# Altium PCB fastcar.PcbDoc (part 5 of 6) (continued)
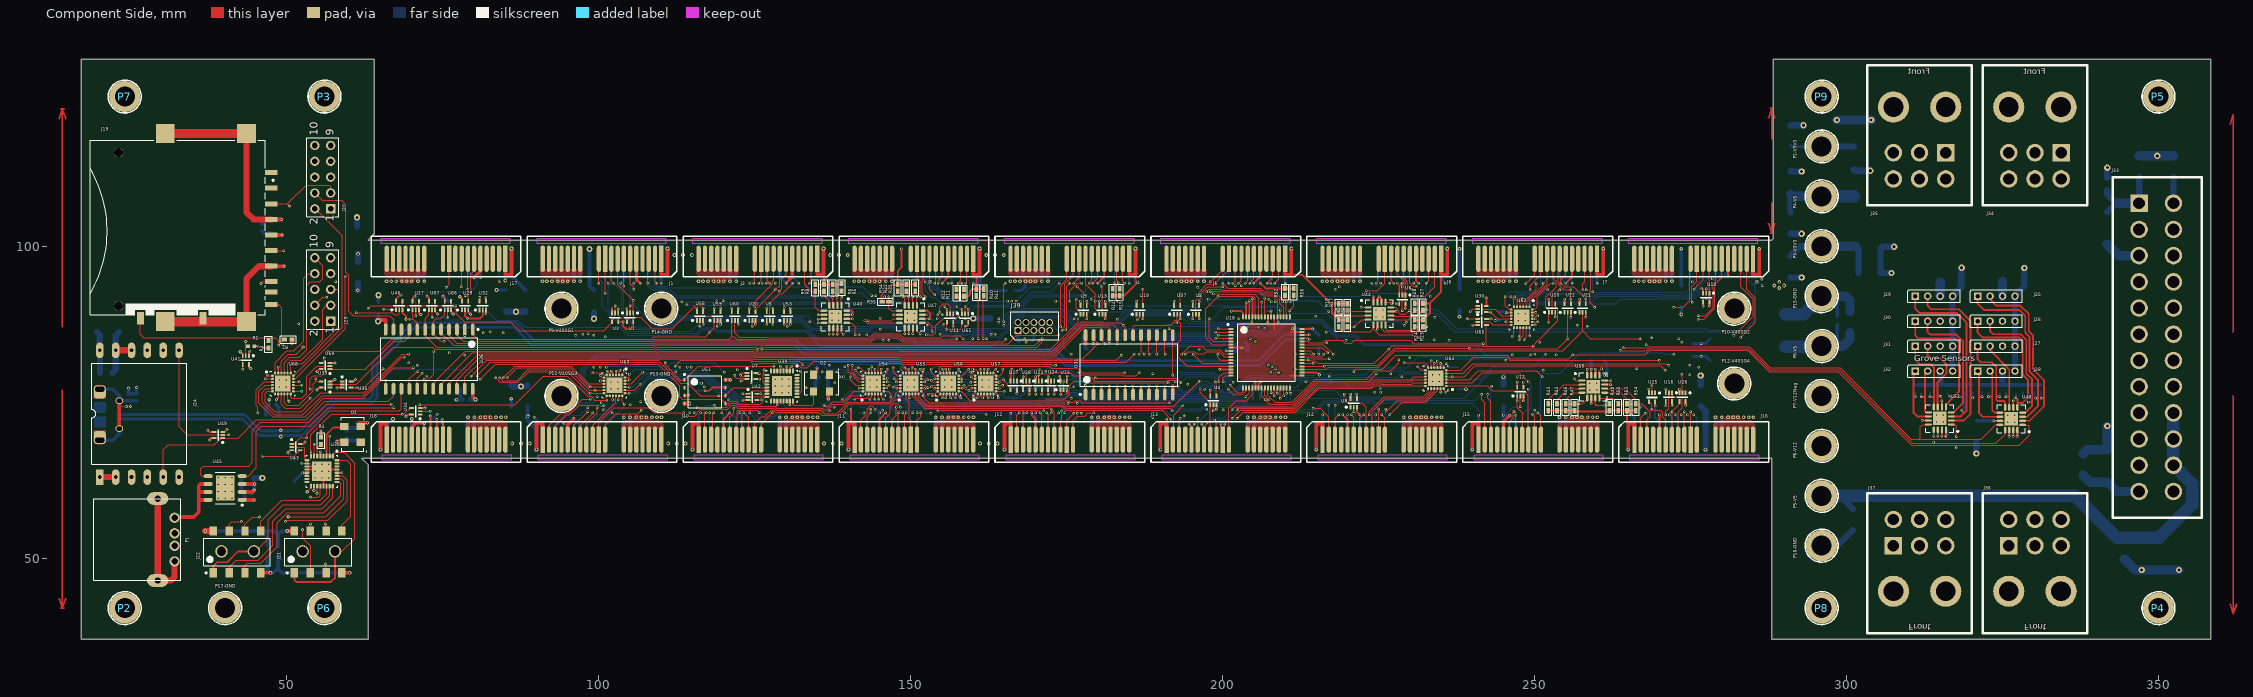
[diagram p0: Component Side view]
## Nets (pads, with @x,y where several pads share a name; then routed paths per layer and width w, separated by ;. In a path a pad name is that pad's centre, name@x,y a point inside that pad or via, vN(x,y) a via of type N, cw(c..) or ccw(c..) an arc to the next point about the centre after c; other vN are vias at no path point) (continued)
  Solder Side w1: C13.1@22.05,79.7 22.54,80.19 J24.11@22.54,83.32 22.54,85.711 C52.2@23.029,86.2 ; C56.2@291,98.429 292.571,100 P3-V3V3.1@296,100 ; P2-V3V3.1@296,116 C40.1@301.2,116 ; C50.1@301.5,99.9 301.9,99.5 C45.2@301.9,95.7 ; C39.2@341.8,105.5 343.2,106.9 341.8,108.3 C35.1@341.8,108.968 ; J33.1@346.9,106.9 C37.1@346.9,111.071 ; J33.13@352.4,106.9 C44.2@352.4,111.071
  Solder Side w1.5: P3-V3V3.1@296,100 301.4,100 C50.1@301.5,99.9 ; C47.1@337.9,63.271 338.971,62.2 C49.2@341.8,62.2 343.3,60.7 J33.12@346.9,60.7 ; 343.2,106.9 J33.1@346.9,106.9
  other v1: 198,76.9
  other v3: 77.7,91.9
V5: C24.1 C26.1 C57.1 C58.1 C59.2 C60.1 C61.1 C62.2 C63.2 C64.2 C65.2 C66.2 C67.1 C68.1 C69.2 C70.1 C71.1 C72.2 C73.2 C74.2 C75.2 C76.2 J1.A1 J2.A1 J3.A1 J4.A1 J5.A1 J6.A1 J7.A1 J8.A1 J9.A1 J10.A1 J11.A1 J12.A1 J13.A1 J14.A1 J15.A1 J16.A1 J17.A1 J18.A1 J20.10 J25.3 J26.3 J27.3 J28.3 J29.3 J30.3 J31.3 J32.3 J33.21 J33.22 J33.23 P4-V5.1 P5-V5.1 P8-V5.1 R5.1 R6.1 R7.1 R8.1 R9.1 R10.1 R11.1 R12.1 R13.1 R14.1 R15.1 R16.1 R17.1 R18.1 R19.1 R20.1 R21.1 R22.1 R23.1 R24.1 R25.1 R27.1 R28.1 R29.1 R31.1 R32.1 R33.1 R34.1 R35.1 R36.1 R37.1 R38.1 R39.1 R40.1 R41.1 R42.1 R43.1 R44.1 R45.1 R46.1 R47.1 R48.1 R49.1 R50.1 R51.1 R53.1 R54.1 R55.1 U45.2 U45.3 | length 650.7
  Component Side w0.3: R9.1@134.7,93.9 R8.1@136.1,93.9 ; 136,95.43 136.1,95.33 R8.1@136.1,93.9 ; R5.1@138.9,94 138.8,93.9 R6.1@137.5,93.9 R8.1@136.1,93.9 ; v1(140.4,73.88) 140.4,71.7 140.5,71.6 ; R35.1@145.4,91.1 145.3,91.2 145.3,92.15 146.95,93.8 147.8,93.8 R34.1@147.9,93.9 ; v1(148.5,99.6) 148.5,96.6 147.9,96 R34.1@147.9,93.9 ; R31.1@150.7,93.9 R32.1@149.3,93.9 R34.1@147.9,93.9 ; R12.1@157.33,91.96 R11.1@158.55,91.96 ; R11.1@158.53,91.99 159.19,91.99 159.5,92.3 159.5,92.8 159.83,93.13 R40.1@160.5,93.13 ; 160.51,95.24 160.5,95.23 R40.1@160.5,93.13 ; R41.1@161.7,93.15 160.52,93.15 R40.1@160.5,93.13 ; R15.1@183.48,92.08 184.17,92.08 184.42,92.33 184.42,92.34 186.02,93.94 186.02,95.24 ; 211,95.43 212.77,95.43 217.4,90.8 ; R20.1@220,88.2 R21.1@218.6,88.2 218.592,88.2 217.5,89.293 217.5,90.7 217.4,90.8 ; R17.1@220,90.8 R18.1@218.6,90.8 217.4,90.8 ; R24.1@230.8,88.2 R23.1@232.1,88.2 233.2,89.3 233.2,90.8 233.15,90.85 ; R28.1@230.8,90.85 R27.1@232.1,90.85 233.15,90.85 ; 235,95.24 235,92.7 233.15,90.85 ; R43.1@252.2,73.65 R44.1@253.6,73.65 R46.1@255,73.65 R47.1@256.4,73.65 256.55,73.5 262.05,73.5 R49.1@262.2,73.65 ; R49.1@262,73.65 R49.1@262.2,73.65 ; R53.1@264.8,73.65 264.8,71.8 265,71.6 ; R54.1@266.2,73.65 R49.1@262.2,73.65
  Component Side w0.6: U45.2@42.825,60.615 44.515,60.615 44.515,60.665 v3(44.75,60.9) ; U45.3@42.825,61.885 44.765,61.885 v3(44.8,61.85) ; v2(65,67.4) 65,71.6 66,71.6 J18.A1@66,69.03 ; J17.A1@85,98 85,95.43 86,95.43 v2(86,99.63) ; v2(90,67.4) 90,71.6 91,71.6 J9.A1@91,69.03 ; J1.A1@110,98 110,95.43 111,95.43 v2(111,99.63) ; v2(115,67.4) 115,71.6 116,71.6 J10.A1@116,69.03 ; J2.A1@135,98 135,95.43 136,95.43 v2(136,99.63) ; v2(140,67.4) 140,71.6 140.5,71.6 141,71.6 J11.A1@141,69.03 ; J3.A1@160,98 160,95.43 161,95.43 v2(161,99.63) ; v2(165,67.4) 165,71.6 166,71.6 J12.A1@166,69.03 ; R14.1@182.38,92.08 R15.1@183.48,92.08 ; J4.A1@185,98 185,95.43 186,95.43 v2(186,99.63) ; v2(190,67.4) 190,71.6 191,71.6 J13.A1@191,69.03 ; J5.A1@210,98 210,95.43 211,95.43 v2(211,99.63) ; v2(215,67.4) 215,71.6 216,71.6 J14.A1@216,69.03 ; J6.A1@235,98 235,95.43 236,95.43 v2(236,99.63) ; v2(240,67.4) 240,71.6 241,71.6 J15.A1@241,69.03 ; J7.A1@260,98 260,95.43 261,95.43 v2(261,99.63) ; v2(265,67.4) 265,71.6 266,71.6 J16.A1@266,69.03 ; J8.A1@284.96,98.01 285,97.97 285,95.4 286,95.4 v2(286,99.6)
  Signal 2 w0.6: J20.10@54.46,116.16 54.46,118.56 55.8,119.9 60.3,119.9 60.9,119.3 60.9,106.6 59.2,104.9 59.2,102.9 62.07,100.03 ; 85,95.45 85,99.5
  Signal 2 w1: v4(46.05,62.85) 46.05,63.9 45.15,64.8 35.85,64.8 34.6,66.05 34.6,83.05 37.65,86.1 51.9,86.1 51.95,86.15 58.4,86.15 60.25,88 60.25,97.78 62.07,99.6 ; 287,99.7 287.1,99.6 288.98,99.6 289.01,99.57 289.08,99.57 ; 288,67.5 290.8,70.3 290.8,78.8 P8-V5.1@296,84 ; P4-V5.1@296,108 292.5,108 290.95,106.45 290.95,101.01 289.51,99.57 289.08,99.57 ; J28.3@325,80 324.768,80 322.768,78 317,78 J32.3@315,80 313.2,78.2 301.8,78.2 P8-V5.1@296,84 ; 289.08,99.57 291,97.65 291,89 P8-V5.1@296,84
  Signal 2 w1.5: 288,67.5 288.91,67.5 289.96,66.45 289.96,61.2 291.16,60 P5-V5.1@296,60 ; J32.3@315,80 J31.3@315,84 J29.3@315,92 ; J28.3@325,80 J27.3@325,84 J26.3@325,88 J25.3@325,92
  Solder Side w0.3: R37.1@140.58,73.33 140.4,73.51 v1(140.4,73.88) 140.4,74.25 R38.1@140.58,74.43
  Solder Side w0.5: C70.1@162.57,92.9 C58.1@165.303,92.9
  Solder Side w0.6: C26.1@44.3,60.35 v3@44.75,60.8 ; v3(44.75,60.9) v3@44.75,61.8 ; C24.1@44.75,62.85 44.75,61.9 v3(44.8,61.85) ; v2(86,99.63) 86,95.23 C71.1@88.22,93.01 ; C67.1@88.55,74.3 88.55,72.06 90,70.61 v2(90,67.4) ; 98.5,98.17 98.5,93.639 C74.2@99.23,92.909 ; 98.5,98.29 v4(98.5,99.57) ; v2@161,99.57 161.03,99.54 C70.1@161.03,92.67 ; C65.2@237.95,93.129 v2(237.95,99.6) ; v2(273.5,99.6) 273.481,99.581 273.481,93.779 C76.2@273.58,93.68 ; C68.1@298.5,87.4 298.5,84.15 298.65,84 ; R55.1@310.9,77.75 R25.1@314.65,77.75 ; 315,77.75 R48.1@316.2,77.75 R19.1@320.05,77.75 ; R42.1@321.6,77.75 R16.1@322.9,77.75 325.05,77.75 ; R39.1@324.4,77.75 R13.1@325.7,77.75 R36.1@327,77.75 R10.1@328.3,77.75 ; 327.75,77.75 R10.1@328.3,77.75 ; R7.1@331.05,77.75 R10.1@328.3,77.75
  Solder Side w1: C24.1@44.75,62.85 v4(46.05,62.85) ; C57.1@61.39,97.49 v2(61.39,98.79) ; C73.2@276.61,74.341 277.41,73.541 277.4,73.531 v2(277.4,67.4) ; C63.2@290.829,108.4 C63.2@291,108.571 C62.2@291,105.429 ; P5-V5.1@296,60 298.9,60 C75.2@301,57.9 ; 315,78.05 J32.3@315,80 ; 324.95,78.1 325,78.15 J28.3@325,80
  Solder Side w1.5: C63.2@291.571,108 P4-V5.1@296,108 ; 298.65,84 299.44,84 300.55,85.11 C72.2@300.55,86.111 ; J29.3@315,92 C64.2@315,94.221 ; J25.3@325,92 C66.2@325,94.329
  Solder Side w2: C59.2@290.2,83.9 295.9,83.9 P8-V5.1@296,84 ; P5-V5.1@296,60 336.6,60 343.3,53.3 C69.2@350.1,53.3 355.4,58.6 355.4,61.9 J33.23@352.4,64.9 J33.22@352.4,69.1 J33.21@352.4,73.3 ; P4-V5.1@296,108 301.1,108 C60.1@301.15,108.05
  other v3: 39,59.6 40.1,59.6 41.2,59.6 39,60.7 40.1,60.7 41.2,60.7 39,61.8 40.1,61.8 41.2,61.8 39,62.9 40.1,62.9 41.2,62.9
V12: J1.B13 J2.B13 J3.B13 J4.B13 J5.B13 J6.B13 J7.B13 J8.B13 J9.B13 J10.B13 J11.B13 J12.B13 J13.B13 J14.B13 J15.B13 J16.B13 J17.B13 J18.B13 J33.10 J33.11 P6-V12.1 | length 92.1
  Signal 1 w3: v2(289.2,93.3) 289.2,74.8 P6-V12.1@296,68
  Solder Side w0.6: v2(71,94.4) J17.B13@71,98 ; J18.B13@80,69 79.991,69.009 80,69.018 v2(80,72.6) ; v2(96,94.4) J1.B13@96,98 ; J9.B13@105,69 v2(105,72.6) ; v2(121,94.4) J2.B13@121,98 ; J10.B13@130,69 v2(130,72.6) ; 146,94.8 J3.B13@146,98 ; J11.B13@155,69 v2(155,72.6) ; v2(171,94.4) J4.B13@171,98 ; J12.B13@180,69 v2(180,72.6) ; v2(196,94.4) J5.B13@196,98 ; J13.B13@205,69 v2(205,72.6) ; v2(221,94.4) J6.B13@221,98 ; J14.B13@230,69 v2(230,72.6) ; 245.99,94.8 246,94.81 J7.B13@246,98 ; J15.B13@255,69 v2(255,72.6) ; v2(271,94.4) J8.B13@271,98 ; J16.B13@280,69 v2(280,72.6)
  other v2: 288.4,93.7 290,93.7 289.2,94.3 146,94.4 246,94.4
V12NEG: J1.B12 J2.B12 J3.B12 J4.B12 J5.B12 J6.B12 J7.B12 J8.B12 J9.B12 J10.B12 J11.B12 J12.B12 J13.B12 J14.B12 J15.B12 J16.B12 J17.B12 J18.B12 J33.14 P7-V12Neg.1 | length 65.5
  Solder Side w0.6: v2(72,94.4) J17.B12@72,98 ; J18.B12@79,69 79,71.51 v2(79,72.6) ; J1.B12@96.99,97.99 97,97.98 v2(97,94.4) ; J9.B12@104,69 v2(104,72.6) ; J2.B12@121.98,97.99 122,97.97 v2(122,94.4) ; J10.B12@129,69 v2(129,72.6) ; v2(147,94.4) 147,97.99 J3.B12@147.01,98 ; J11.B12@154,69 154.1,69.1 154,69.199 v2(154,72.6) ; v2(172,94.4) J4.B12@172,97.97 ; 178.99,71.55 179,71.56 v2(179,72.6) 179,71.511 ; J12.B12@179,69 179,71.51 ; v2@197,94.44 v2(197,94.4) J5.B12@197,98 ; J13.B12@204,69.4 v2(204,72.6) ; v2(222,94.4) J6.B12@222,98 ; J14.B12@229,69 v2(229,72.6) ; v2(247,94.4) 247,97.969 J7.B12@247.01,97.98 ; J15.B12@254,69 v2(254,72.6) ; v2(272,94.4) J8.B12@272,98 ; J16.B12@279,69 v2(279,72.6)
V40SG1: J1.B14 J1.B15 J1.B16 J1.B17 J1.B18 J2.B14 J2.B15 J2.B16 J2.B17 J2.B18 J3.B14 J3.B15 J3.B16 J3.B17 J3.B18 J4.B14 J4.B15 J4.B16 J4.B17 J4.B18 J34.1 J34.2 J34.3 P9-V40SG1.1 | length 11.3
  Solder Side w0.5: 165.984,95.816 J4.B18@165.984,98 ; 167,95.7 J4.B17@167,98 ; 168,95.6 J4.B16@168,98 ; 169,95.8 J4.B15@169,98 ; 170,95.8 J4.B14@170,98
  other v2: 90.95,94.4 91.7,94.4 92.5,94.4 115.95,94.4 116.7,94.4 117.5,94.4 140.95,94.4 141.7,94.4 142.5,94.4 165.95,94.4 166.7,94.4 167.5,94.4 112.1,98.6 113.5,98.6 114.9,98.6 137.1,98.6 138.5,98.6 139.9,98.6 162.1,98.6 163.5,98.6 164.9,98.6
V40SG2: J5.B14 J5.B15 J5.B16 J5.B17 J5.B18 J6.B14 J6.B15 J6.B16 J6.B17 J6.B18 J7.B14 J7.B15 J7.B16 J7.B17 J7.B18 J8.B14 J8.B15 J8.B16 J8.B17 J8.B18 J35.1 J35.2 J35.3 P10-V40SG2.1
  other v2: 190.95,94.4 191.7,94.4 192.5,94.4 215.95,94.4 216.7,94.4 217.5,94.4 240.95,94.4 241.7,94.4 242.5,94.4 265.95,94.4 266.7,94.4 267.5,94.4
V40SG3: J9.B14 J9.B15 J9.B16 J9.B17 J9.B18 J10.B14 J10.B15 J10.B16 J10.B17 J10.B18 J11.B14 J11.B15 J11.B16 J11.B17 J11.B18 J12.B14 J12.B15 J12.B16 J12.B17 J12.B18 J36.1 J36.2 J36.3 P11-V40SG3.1
  other v2: 86.1,68.4 87.5,68.4 88.9,68.4 111.1,68.4 112.5,68.4 113.9,68.4 136.1,68.4 137.5,68.4 138.9,68.4 161.1,68.4 162.5,68.4 163.9,68.4 108.5,72.6 109.3,72.6 110.05,72.6 133.5,72.6 134.3,72.6 135.05,72.6 158.5,72.6 159.3,72.6 160.05,72.6 183.5,72.6 184.3,72.6 185.05,72.6
V40SG4: J13.B14 J13.B15 J13.B16 J13.B17 J13.B18 J14.B14 J14.B15 J14.B16 J14.B17 J14.B18 J15.B14 J15.B15 J15.B16 J15.B17 J15.B18 J16.B14 J16.B15 J16.B16 J16.B17 J16.B18 J17.B14 J17.B15 J17.B16 J17.B17 J17.B18 J18.B14 J18.B15 J18.B16 J18.B17 J18.B18 J37.1 J37.2 J37.3 P12-V40SG4.1
  other v2: 83.5,72.6 84.3,72.6 85.05,72.6 208.5,72.6 209.3,72.6 210.05,72.6 233.5,72.6 234.3,72.6 235.05,72.6 258.5,72.6 259.3,72.6 260.05,72.6 283.5,72.6 284.3,72.6 285.05,72.6 65.95,94.4 66.7,94.4 67.5,94.4
VCORE: C78.1 C79.1 U18.55 | length 3.2
  Component Side w0.15: U18.55@207.75,88.7 v3(207.75,89.65)
  Solder Side w0.3: C78.1@206.7,89.1 206.7,89.4 206.95,89.65 v3(207.75,89.65) 207.75,88.95 C79.1@207.8,88.9
pads on no net: J17.A2 J17.A3 J17.A4 J17.A9 J17.A11 J17.B3 J17.B4 J17.B8 J17.B9 J17.B10 J17.B11 J18.A2 J18.A3 J18.A4 J18.A6 J18.A7 J18.A11 J18.B2 J18.B3 J18.B4 J18.B6 J18.B10 J18.B11 J19.0 J19.1 J19.8 J19.9 J20.6 J20.7 J20.8 J21.0 J22.0 J24.6 J33.2 J33.4 J33.6 J33.8 J33.9 J33.20 J34.7 J34.8 J35.7 J35.8 J36.7 J36.8 J37.7 J37.8 J38.1 J38.4 J38.6@20,69.4 J38.7@20,76.6 J38.8@23.125,70.775 J38.9@23.125,75.225 J39.6 J39.7 J39.8 O1.1 O2.1 P2.1 P3.1 P4.1 P5.1 P6.1 P7.1 P8.1 P9.1 U19.1 U20.1 U21.1 U22.1 U23.1 U24.1 U25.1 U26.1 U27.1 U28.1 U29.1 U30.1 U32.1 U33.1 U34.1 U35.1 U37.1 U38.4 U38.14 U38.15 U38.16 U38.30 U38.31 U39.1 U39.5 U39.6 U39.7 U39.8 U39.9 U39.10 U39.11 U39.17 U39.18 U39.22 U39.25 U39.27 U39.28 U39.29 U39.30 U39.31 U39.32 U39.33 U40.17 U44.17 U45.9 U47.17 U48.17 U50.17 U52.17 U54.25 U55.14 U55.25 U56.14 U56.25 U57.14 U57.25 U62.14 U62.25 U63.14 U63.25 U64.14 U64.25 U68.7 U68.14 U68.25
copper on no net:
  other v3: 325.85,71.8 326.95,71.8 314.4,71.85 315.5,71.85 325.85,72.9 326.95,72.9 314.4,72.95 315.5,72.95 128.25,76.5 129.35,76.5 130.45,76.5 258.85,76.95 259.95,76.95 101.95,77.15 103.05,77.15 48.8,77.45 49.9,77.45 143.45,77.45 144.55,77.45 149.45,77.45 150.55,77.45 155.45,77.45 156.55,77.45 161.45,77.45 162.55,77.45 128.25,77.6 129.35,77.6 130.45,77.6 258.85,78.05 259.95,78.05 101.95,78.25 103.05,78.25 233.62,78.32 234.72,78.32 48.8,78.55 49.9,78.55 143.45,78.55 144.55,78.55 149.45,78.55 150.55,78.55 155.45,78.55 156.55,78.55 161.45,78.55 162.55,78.55 128.25,78.7 129.35,78.7 130.45,78.7 233.62,79.42 234.72,79.42 247.38,88.08 248.48,88.08 137.35,88.15 138.45,88.15 149.45,88.15 150.55,88.15 224.58,88.67 225.68,88.67 247.38,89.18 248.48,89.18 137.35,89.25 138.45,89.25 149.45,89.25 150.55,89.25 224.58,89.77 225.68,89.77

## Polygon pours and split planes (outlines as drawn)
V40SG4 on Signal 1 "V40SG4_PCI" (solid, remove dead copper, pour order 53): 205.5,72.59 278.1,72.59 278.1,80.85 278.95,81.7 285,81.7 285.85,80.85 285.85,73.1 288,70.95 296.8,70.95 298.975,68.775 298.975,57.1 301.875,54.2 316.9,54.2 317.719,53.381 317.719,50.619 317.044,49.944 291.044,49.944 289.125,51.863 289.125,66.525 288.5,67.15 205.5,67.15
V40SG1 on Signal 1 "V40GS2_PCI" (solid, pour order 48): 90.25,95.85 90,95.6 90,92.9 90,92.85 95.5,92.85 95.5,95.6 95.25,95.85
V40SG1 on Signal 1 "MidLayer1-V40SG2" (solid, pour order 49): 185.6,94.5 97.75,94.5 97.75,87.1 96.8,86.15 90.85,86.15 90,87 90,99.158 90.685,99.987 185.6,99.987
V40SG2 on Signal 1 "MidLayer1-V40SG2" (solid, pour order 52): 190,94.5 278.3,94.5 278.3,87.05 279.25,86.1 285.2,86.1 286.05,86.95 286.05,96 286.675,96.625 296.925,96.625 298.9,98.6 298.9,110.3 301.5,112.9 317.9,112.9 317.9,117.05 291.312,117.05 289.1,115.007 289.1,101 288,99.9 190,99.9
V40SG3 on Signal 1 "MidLayer1-V40SG2" (solid, pour order 50): 185.25,72.95 158.4,72.95 98.3,72.95 97.75,73.5 97.75,78.9 96.8,79.85 90.85,79.85 90,79 90,67.5 90.441,67.059 185.6,66.969 185.6,72.6
V40SG2 on Solder Side "V40SG2_L06_P100" (solid, pour order 91): 270.3,96.3 265.7,96.3 265.6,96.2 265.6,94.3 265.85,94.05 267.6,94.05 268.4,94.85 270.05,94.85 270.4,95.2 270.4,96.2
V40SG2 on Solder Side "V40SG2_L06_P098" (solid, pour order 90): 245.3,96.3 240.7,96.3 240.6,96.2 240.6,94.3 240.85,94.05 242.6,94.05 243.4,94.85 245.05,94.85 245.4,95.2 245.4,96.2
V40SG2 on Solder Side "V40SG2_L06_P096" (solid, pour order 89): 220.3,96.3 215.7,96.3 215.6,96.2 215.6,94.3 215.85,94.05 217.6,94.05 218.4,94.85 220.05,94.85 220.4,95.2 220.4,96.2
V40SG2 on Solder Side "V40SG2_L06_P094" (solid, pour order 88): 195.3,96.3 190.7,96.3 190.6,96.2 190.6,94.3 190.85,94.05 192.6,94.05 193.4,94.85 195.05,94.85 195.4,95.2 195.4,96.2
V40SG1 on Solder Side "V40SG1_L06_P092" (solid, pour order 87): 170.3,96.3 165.7,96.3 165.6,96.2 165.6,94.3 165.85,94.05 167.6,94.05 168.4,94.85 170.05,94.85 170.4,95.2 170.4,96.2
V40SG1 on Solder Side "V40SG1_L06_P090" (solid, pour order 86): 145.3,96.3 140.7,96.3 140.6,96.2 140.6,94.3 140.85,94.05 142.6,94.05 143.4,94.85 145.05,94.85 145.4,95.2 145.4,96.2
V40SG1 on Solder Side "V40SG1_L06_P086" (solid, pour order 85): 120.3,96.3 115.7,96.3 115.6,96.2 115.6,94.3 115.85,94.05 117.6,94.05 118.4,94.85 120.05,94.85 120.4,95.2 120.4,96.2
V40SG1 on Solder Side "V40SG1_L06_P084" (solid, pour order 84): 95.3,96.3 90.7,96.3 90.6,96.2 90.6,94.3 90.85,94.05 92.6,94.05 93.4,94.85 95.05,94.85 95.4,95.2 95.4,96.2
V40SG4 on Solder Side "V40SG4_L06_P082" (solid, pour order 83): 70.3,96.3 65.7,96.3 65.6,96.2 65.6,94.3 65.85,94.05 67.6,94.05 68.4,94.85 70.05,94.85 70.4,95.2 70.4,96.2
V40SG3 on Solder Side "V40SG3_L06_P080" (solid, pour order 82): 130.7,70.7 135.3,70.7 135.4,70.8 135.4,72.7 135.15,72.95 133.4,72.95 132.6,72.15 130.95,72.15 130.6,71.8 130.6,70.8
V40SG3 on Solder Side "V40SG3_L06_P078" (solid, pour order 81): 105.7,70.7 110.3,70.7 110.4,70.8 110.4,72.7 110.15,72.95 108.4,72.95 107.6,72.15 105.95,72.15 105.6,71.8 105.6,70.8
V40SG4 on Solder Side "V40SG4_L06_P076" (solid, pour order 80): 80.7,70.7 85.3,70.7 85.4,70.8 85.4,72.7 85.15,72.95 83.4,72.95 82.6,72.15 80.95,72.15 80.6,71.8 80.6,70.8
V40SG4 on Solder Side "V40SG4_L06_P074" (solid, pour order 79): 280.7,70.7 285.3,70.7 285.4,70.8 285.4,72.7 285.15,72.95 283.4,72.95 282.6,72.15 280.95,72.15 280.6,71.8 280.6,70.8
V40SG4 on Solder Side "V40SG4_L06_P072" (solid, pour order 78): 255.7,70.7 260.3,70.7 260.4,70.8 260.4,72.7 260.15,72.95 258.4,72.95 257.6,72.15 255.95,72.15 255.6,71.8 255.6,70.8
V40SG4 on Solder Side "V40SG4_L06_P070" (solid, pour order 77): 230.7,70.7 235.3,70.7 235.4,70.8 235.4,72.7 235.15,72.95 233.4,72.95 232.6,72.15 230.95,72.15 230.6,71.8 230.6,70.8
V40SG4 on Solder Side "V40SG4_L06_P068" (solid, pour order 76): 205.7,70.7 210.3,70.7 210.4,70.8 210.4,72.7 210.15,72.95 208.4,72.95 207.6,72.15 205.95,72.15 205.6,71.8 205.6,70.8
V40SG3 on Solder Side "V40SG3_L06_P066" (solid, pour order 75): 180.7,70.7 185.3,70.7 185.4,70.8 185.4,72.7 185.15,72.95 183.4,72.95 182.6,72.15 180.95,72.15 180.6,71.8 180.6,70.8
V40SG3 on Solder Side "V40SG3_L06_P026" (solid, pour order 55): 155.7,70.7 160.3,70.7 160.4,70.8 160.4,72.7 160.15,72.95 158.4,72.95 157.6,72.15 155.95,72.15 155.6,71.8 155.6,70.8
GND on Solder Side "V40GS2_PCI" (solid, pour order 54): 56.95,65.5 57.15,65.3 57.15,65 57.15,62.6 56.95,62.4 54.15,62.4 54.05,62.5 54.05,62.65 54.05,65.35 54.2,65.5
GND on Component Side "GND_L01_P064" (solid, pour order 74): 272.3,96.3 265.7,96.3 265.6,96.2 265.6,95.5 266.25,94.85 267.5,94.85 268.3,94.05 270.1,94.05 270.9,94.85 271.75,94.85 272.4,95.5 272.4,96.2
GND on Component Side "GND_L01_P062" (solid, pour order 73): 247.3,96.3 240.7,96.3 240.6,96.2 240.6,95.5 241.25,94.85 242.5,94.85 243.3,94.05 245.1,94.05 245.9,94.85 246.75,94.85 247.4,95.5 247.4,96.2
GND on Component Side "GND_L01_P060" (solid, pour order 72): 222.3,96.3 215.7,96.3 215.6,96.2 215.6,95.5 216.25,94.85 217.5,94.85 218.3,94.05 220.1,94.05 220.9,94.85 221.75,94.85 222.4,95.5 222.4,96.2
GND on Component Side "GND_L01_P058" (solid, pour order 71): 197.3,96.3 190.7,96.3 190.6,96.2 190.6,95.5 191.25,94.85 192.5,94.85 193.3,94.05 195.1,94.05 195.9,94.85 196.75,94.85 197.4,95.5 197.4,96.2
GND on Component Side "GND_L01_P056" (solid, pour order 70): 172.3,96.3 165.7,96.3 165.6,96.2 165.6,95.5 166.25,94.85 167.5,94.85 168.3,94.05 170.1,94.05 170.9,94.85 171.75,94.85 172.4,95.5 172.4,96.2
GND on Component Side "GND_L01_P054" (solid, pour order 69): 147.3,96.3 140.7,96.3 140.6,96.2 140.6,95.5 141.25,94.85 142.5,94.85 143.3,94.05 145.1,94.05 145.9,94.85 146.75,94.85 147.4,95.5 147.4,96.2
GND on Component Side "GND_L01_P052" (solid, pour order 68): 122.3,96.3 115.7,96.3 115.6,96.2 115.6,95.5 116.25,94.85 117.5,94.85 118.3,94.05 120.1,94.05 120.9,94.85 121.75,94.85 122.4,95.5 122.4,96.2
GND on Component Side "GND_L01_P050" (solid, pour order 67): 97.3,96.3 90.7,96.3 90.6,96.2 90.6,95.5 91.25,94.85 92.5,94.85 93.3,94.05 95.1,94.05 95.9,94.85 96.75,94.85 97.4,95.5 97.4,96.2
GND on Component Side "GND_L01_P048" (solid, pour order 66): 72.3,96.3 65.7,96.3 65.6,96.2 65.6,95.5 66.25,94.85 67.5,94.85 68.3,94.05 70.1,94.05 70.9,94.85 71.75,94.85 72.4,95.5 72.4,96.2
GND on Component Side "GND_L01_P046" (solid, pour order 64): 78.7,70.7 85.3,70.7 85.4,70.8 85.4,71.5 84.75,72.15 83.5,72.15 82.7,72.95 80.9,72.95 80.1,72.15 79.25,72.15 78.6,71.5 78.6,70.8
GND on Component Side "GND_L01_P044" (solid, pour order 63): 103.7,70.7 110.3,70.7 110.4,70.8 110.4,71.5 109.75,72.15 108.5,72.15 107.7,72.95 105.9,72.95 105.1,72.15 104.25,72.15 103.6,71.5 103.6,70.8
GND on Component Side "GND_L01_P042" (solid, pour order 62): 128.7,70.7 135.3,70.7 135.4,70.8 135.4,71.5 134.75,72.15 133.5,72.15 132.7,72.95 130.9,72.95 130.1,72.15 129.25,72.15 128.6,71.5 128.6,70.8
GND on Component Side "GND_L01_P040" (solid, pour order 61): 278.7,70.7 285.3,70.7 285.4,70.8 285.4,71.5 284.75,72.15 283.5,72.15 282.7,72.95 280.9,72.95 280.1,72.15 279.25,72.15 278.6,71.5 278.6,70.8
GND on Component Side "GND_L01_P038" (solid, pour order 60): 253.7,70.7 260.3,70.7 260.4,70.8 260.4,71.5 259.75,72.15 258.5,72.15 257.7,72.95 255.9,72.95 255.1,72.15 254.25,72.15 253.6,71.5 253.6,70.8
GND on Component Side "GND_L01_P036" (solid, pour order 59): 228.7,70.7 235.3,70.7 235.4,70.8 235.4,71.5 234.75,72.15 233.5,72.15 232.7,72.95 230.9,72.95 230.1,72.15 229.25,72.15 228.6,71.5 228.6,70.8
GND on Component Side "GND_L01_P034" (solid, pour order 58): 203.7,70.7 210.3,70.7 210.4,70.8 210.4,71.5 209.75,72.15 208.5,72.15 207.7,72.95 205.9,72.95 205.1,72.15 204.25,72.15 203.6,71.5 203.6,70.8
GND on Component Side "GND_L01_P032" (solid, pour order 57): 178.7,70.7 185.3,70.7 185.4,70.8 185.4,71.5 184.75,72.15 183.5,72.15 182.7,72.95 180.9,72.95 180.1,72.15 179.25,72.15 178.6,71.5 178.6,70.8
GND on Component Side "GND_L01_P028" (solid, pour order 56): 153.7,70.7 160.3,70.7 160.4,70.8 160.4,71.5 159.75,72.15 158.5,72.15 157.7,72.95 155.9,72.95 155.1,72.15 154.25,72.15 153.6,71.5 153.6,70.8
GND on Component Side "CPU_GND" (solid, pour order 51): 204.68,87.59 202.79,87.59 202.43,87.23 202.43,79.04 203.03,78.44 211.07,78.44 211.62,78.99 211.62,87.16 211.17,87.61
V5 on Signal 2 "V5PourSig2" (solid, remove dead copper, pour order 65): 18.2,121.1 17.8,120.7 17.8,38.4 61.6,38.4 61.7,38.3 61.3,38.7 61.3,66.3 61.3,66.5 61.4,66.6 77.9,66.6 288.4,66.6 288.6,66.4 288.9,66.1 288.9,38.4 355.4,38.4 356.5,39.5 355.6,40.4 355.6,127.9 290.2,127.9 289.9,127.6 289.9,101 289.7,101 289.3,100.6 289.2,100.5 283,100.5 62.5,100.5 62.4,100.6 62.4,101.7 62.4,120.9 62.3,121 62.2,121 18.3,121 18.2,121.1 17.9,120.8
V5 on Signal 2 "V5_L03_P106" (solid, pour order 94): 288,98.9 288,100.3 64.2,100.3 64,100.1 64,99.1 64.2,98.9
V5 on Signal 2 "V5_L03_P104" (solid, pour order 93): 288,66.7 288,68.1 64.2,68.1 64,67.9 64,66.9 64.2,66.7
V40SG4 on Signal 2 "V40SG4_L03_P102" (solid, pour order 92): 210.2,73 210.5,72.7 210.5,70.4 210.5,69.5 209.6,68.6 207.2,68.6 78.4,68.6 65.4,81.6 65.4,94.7 65.9,95.2 67.4,95.2 67.9,94.7 67.9,94.5 67.9,82.1 68.5,81.5 76.7,73.3 81.6,73.3 85.3,73.3 86.3,72.3 87.5,71.1 87.6,71.1 206.5,71.1 208.4,73
V12NEG on GND (split plane): 252 vertices, not listed, extent 69.951,37.51 357.89,129.49
GND on GND (split plane): 233 vertices, not listed, extent 17.51,37.51 354.949,129.49
V40SG3 on POWER (split plane): 292.549,66.379 292.549,50.8 292.553,50.78 292.564,50.764 294.964,48.364 294.98,48.353 295,48.349 316.8,48.349 316.82,48.353 316.836,48.364 322.621,54.149 336.779,54.149 339.655,51.272 339.653,51.269 339.649,51.249 339.649,37.51 296.104,37.51 288.51,37.51 288.51,45.104 288.51,66 288.501,66.1 288.472,66.195 288.424,66.284 288.361,66.361 288.284,66.424 288.195,66.472 288.1,66.501 288,66.51 77.262,66.51 77.251,66.521 77.251,68.979 77.321,69.049 289.879,69.049
V40SG1 on POWER (split plane): 339.649,115.121 337.479,112.951 322.321,112.951 316.236,119.036 316.22,119.047 316.2,119.051 294.8,119.051 294.78,119.047 294.774,119.043 294.764,119.036 292.564,116.836 292.553,116.82 292.549,116.8 292.549,97.951 69.351,97.951 69.351,100.49 288,100.49 288.1,100.499 288.195,100.528 288.284,100.576 288.361,100.639 288.615,100.893 288.678,100.97 288.726,101.059 288.755,101.154 288.764,101.254 288.764,129.49 339.649,129.49
V12 on POWER (split plane): 282.664,70.864 282.68,70.853 282.7,70.849 282.707,70.85 282.711,70.844 282.728,70.833 282.747,70.83 289.92,70.83 289.939,70.833 289.956,70.844 290.86,71.749 298.079,71.749 299.449,70.379 299.449,65.4 299.453,65.38 299.464,65.364 306.264,58.564 306.28,58.553 306.3,58.549 348.3,58.549 348.32,58.553 348.336,58.564 349.536,59.764 349.547,59.78 349.551,59.8 349.551,61.7 349.547,61.72 349.536,61.736 348.436,62.836 348.42,62.847 348.4,62.851 345.921,62.851 345.051,63.721 345.051,70.279 345.921,71.149 357.89,71.149 357.89,37.51 339.751,37.51 339.751,51.249 339.747,51.269 339.743,51.275 339.747,51.28 339.751,51.3 339.747,51.32 339.736,51.336 336.836,54.236 336.82,54.247 336.8,54.251 322.6,54.251 322.58,54.247 322.564,54.236 316.779,48.451 295.021,48.451 292.651,50.821 292.651,66.4 292.647,66.42 292.643,66.426 292.636,66.436 289.936,69.136 289.92,69.147 289.9,69.151 77.3,69.151 77.28,69.147 77.274,69.143 77.264,69.136 77.251,69.123 77.251,70.779 79.721,73.249 80.279,73.249 82.664,70.864 82.68,70.853 82.7,70.849 102.3,70.849 102.32,70.853 102.336,70.864 104.721,73.249 105.279,73.249 107.664,70.864 107.68,70.853 107.7,70.849 127.3,70.849 127.32,70.853 127.336,70.864 129.721,73.249 130.279,73.249 132.664,70.864 132.68,70.853 132.7,70.849 152.3,70.849 152.32,70.853 152.336,70.864 154.721,73.249 155.279,73.249 157.664,70.864 157.68,70.853 157.7,70.849 177.3,70.849 177.32,70.853 177.336,70.864 179.721,73.249 180.279,73.249 182.664,70.864 182.68,70.853 182.7,70.849 202.3,70.849 202.32,70.853 202.336,70.864 204.721,73.249 205.279,73.249 207.664,70.864 207.68,70.853 207.7,70.849 227.3,70.849 227.32,70.853 227.336,70.864 229.721,73.249 230.279,73.249 232.664,70.864 232.68,70.853 232.7,70.849 252.3,70.849 252.32,70.853 252.336,70.864 254.036,72.564 254.721,73.249 255.279,73.249 255.964,72.564 257.664,70.864 257.68,70.853 257.7,70.849 277.3,70.849 277.32,70.853 277.336,70.864 279.721,73.249 280.279,73.249
V12 on POWER (split plane): 292.549,93.821 290.879,92.151 288.621,92.151 287.351,93.421 287.351,94.7 287.347,94.72 287.343,94.726 287.336,94.736 285.936,96.136 285.92,96.147 285.9,96.151 273.7,96.151 273.68,96.147 273.664,96.136 271.279,93.751 270.721,93.751 268.336,96.136 268.32,96.147 268.3,96.151 248.7,96.151 248.68,96.147 248.664,96.136 246.279,93.751 245.721,93.751 243.336,96.136 243.32,96.147 243.3,96.151 223.7,96.151 223.68,96.147 223.664,96.136 221.279,93.751 220.721,93.751 218.336,96.136 218.32,96.147 218.3,96.151 198.7,96.151 198.68,96.147 198.664,96.136 196.279,93.751 195.721,93.751 193.336,96.136 193.32,96.147 193.3,96.151 173.7,96.151 173.68,96.147 173.664,96.136 171.279,93.751 170.721,93.751 168.336,96.136 168.32,96.147 168.3,96.151 148.7,96.151 148.68,96.147 148.664,96.136 146.279,93.751 145.721,93.751 143.336,96.136 143.32,96.147 143.3,96.151 123.7,96.151 123.68,96.147 123.664,96.136 121.279,93.751 120.721,93.751 118.336,96.136 118.32,96.147 118.3,96.151 98.7,96.151 98.68,96.147 98.664,96.136 96.279,93.751 95.721,93.751 93.336,96.136 93.32,96.147 93.3,96.151 73.7,96.151 73.68,96.147 73.664,96.136 71.279,93.751 70.721,93.751 69.351,95.121 69.351,97.849 292.549,97.849
V3V3 on POWER (split plane): 248 vertices, not listed, extent 17.51,37.51 357.89,129.49